# KiCad board demo_matrix2.kicad_pcb (continued)
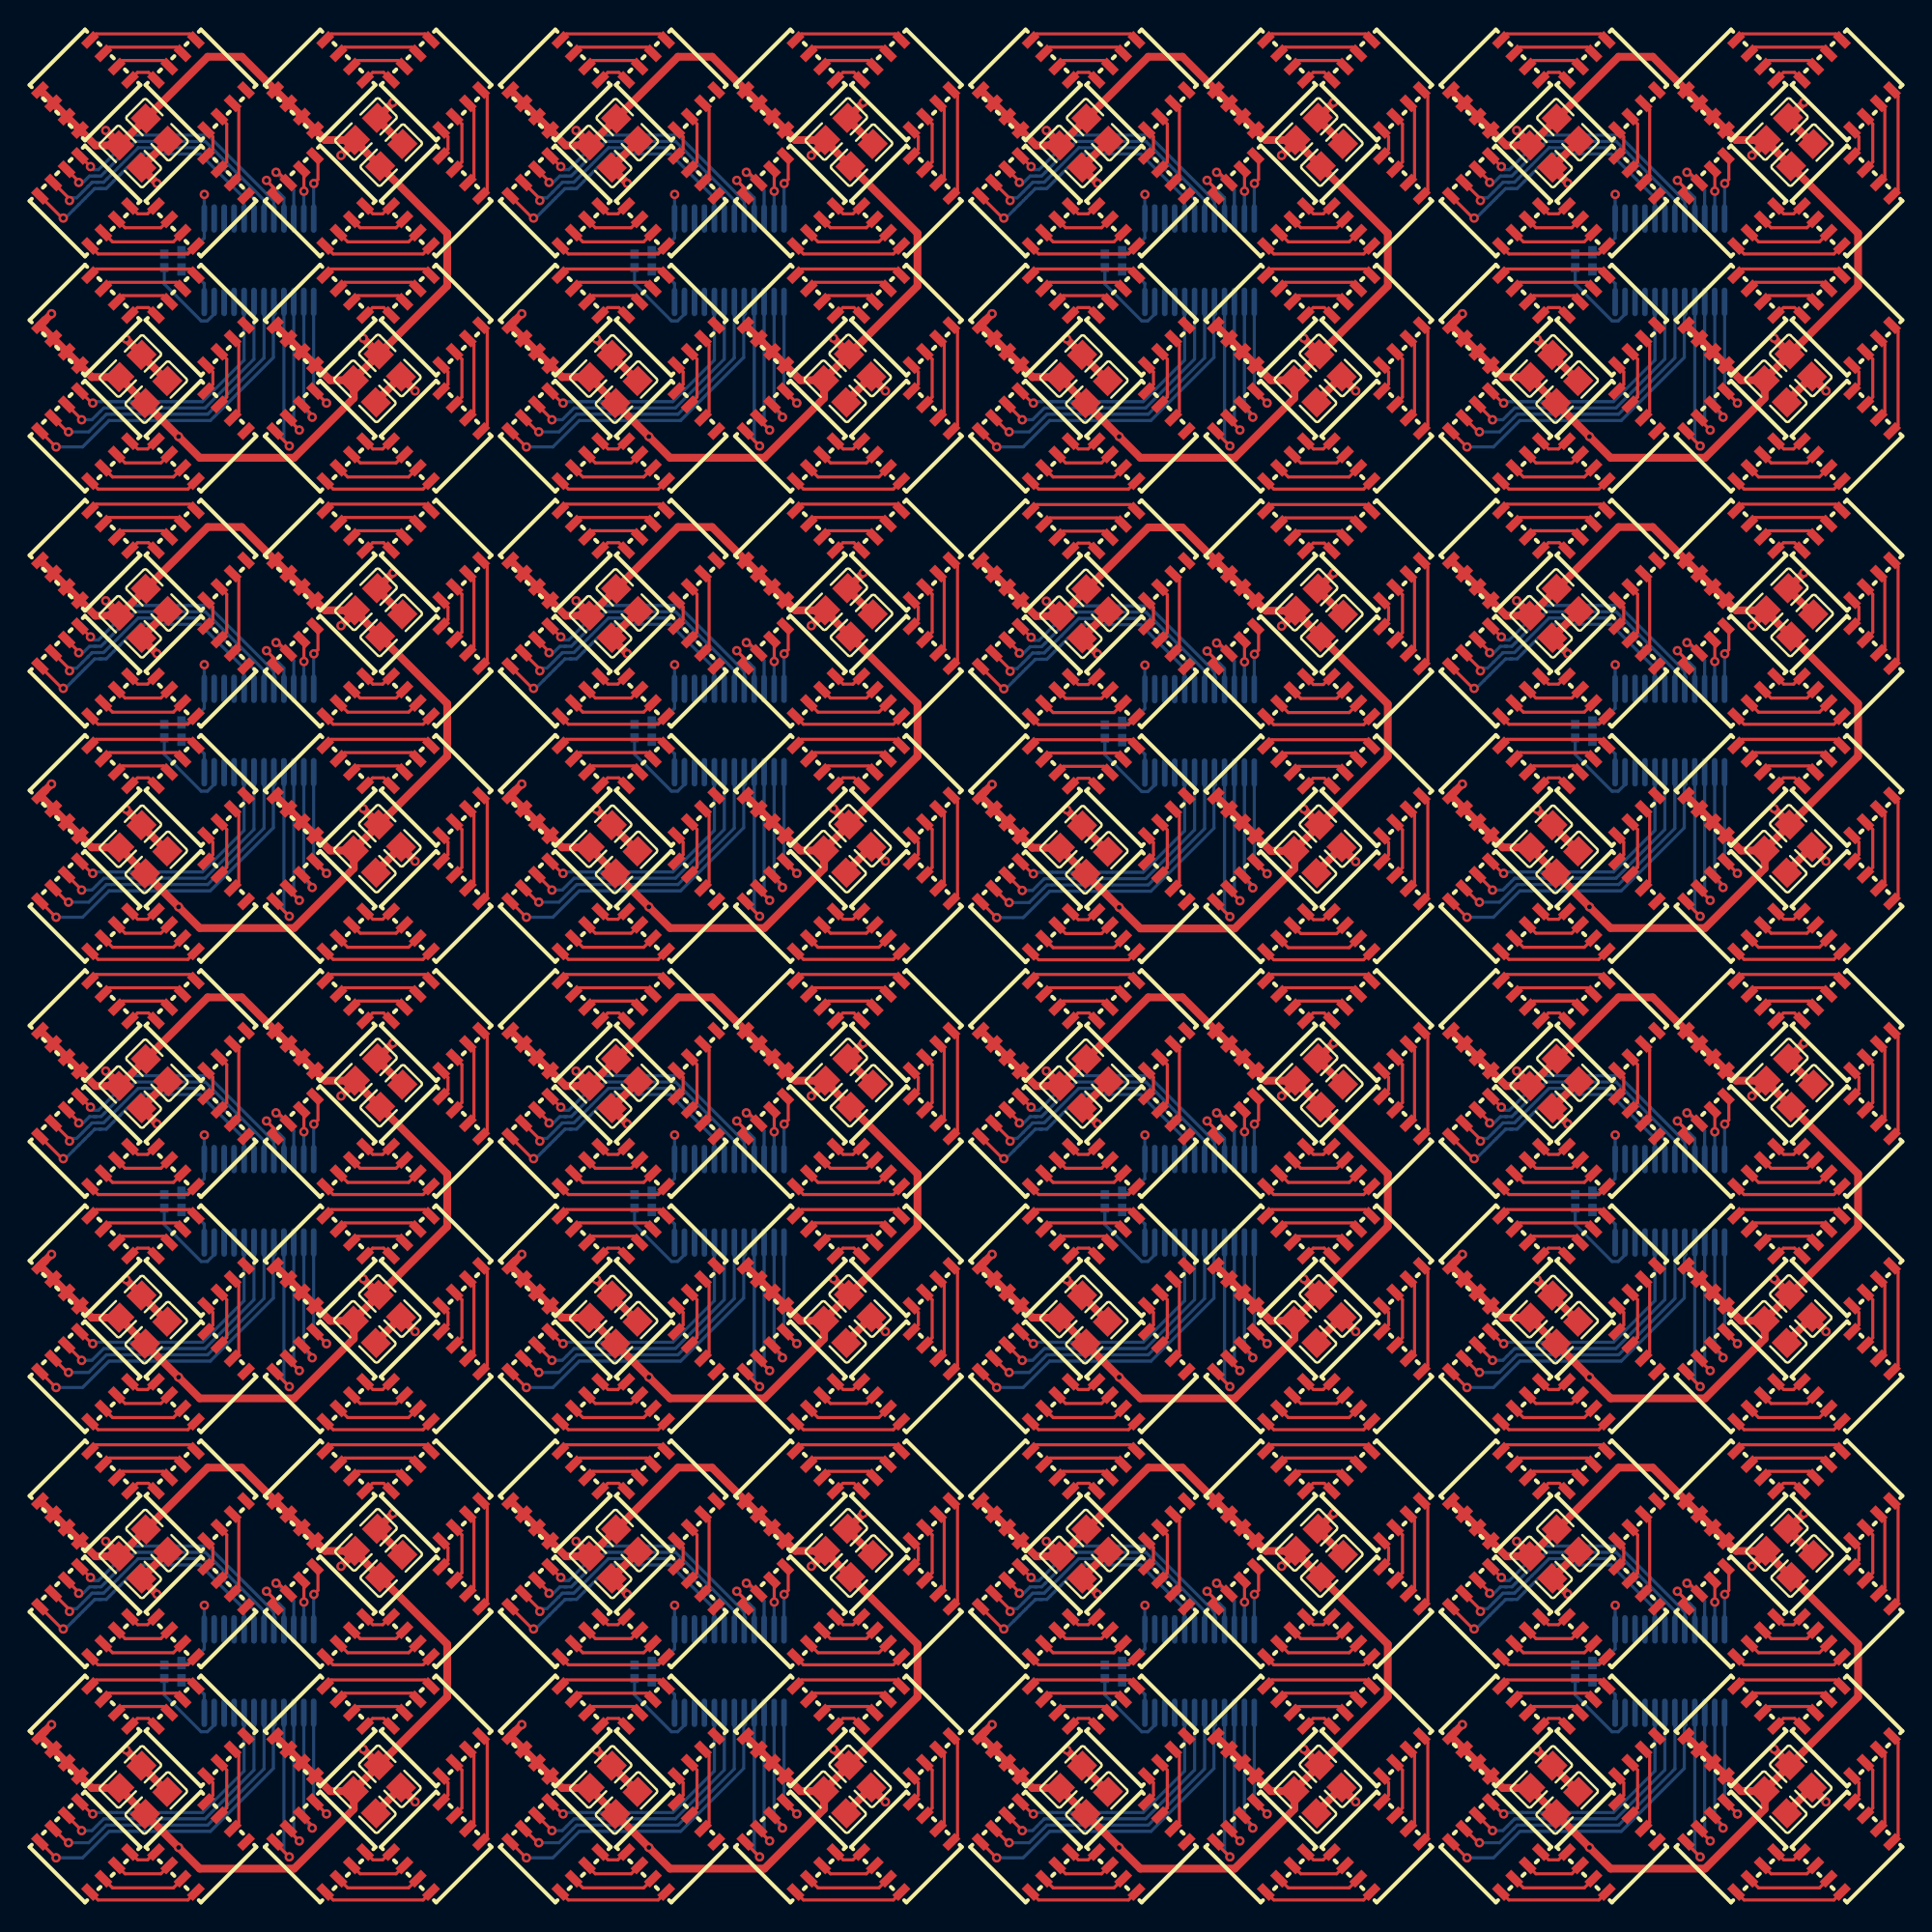
[diagram p0: board, top side]
## Routing (per net, layer and track width the routed paths; a pad name or vN(x,y) marks a point on that pad's centre or on a via; arc(x,y) is an arc through that point) (continued)
  Bottom w0.2: v1(79.21,92.11) 78.39,92.93 U11.13
rgbs[3]-cathodes-cathode-143: length 8.7
  Top w0.2: v1(78.29,91.21) 78.29,91.36 LED48.5
  Bottom w0.2: v1(78.29,91.21) 77.76,91.74 U11.14
rgbs[3]-cathodes-cathode-144: length 17.9
  Top w0.2: v1(92.42,103.91) 92.34,103.91 LED52.1
  Bottom w0.2: U16.5 103.95,104.99 103.95,105.19 101.15,108 97.36,108 95.16,105.79 94.73,105.79 94.42,105.79 94.4,105.77 94.4,105.77 93.82,105.18 93.67,105.03 93.41,104.78 93.41,104.78 93.06,104.43 93.06,104.43 92.54,103.91 ; 92.54,103.91 92.61,103.97 ; 92.54,103.91 v1(92.42,103.91)
rgbs[3]-cathodes-cathode-145: length 9.4
  Top w0.2: v1(107.47,90.39) 106.78,91.08 LED64.3
  Bottom w0.2: U16.15 107.12,90.74 v1(107.47,90.39)
rgbs[3]-cathodes-cathode-146: length 10.7
  Top w0.2: LED64.1 105.93,90.27 v1(106.83,89.37)
  Bottom w0.2: U16.16 106.49,89.71 v1(106.83,89.37)
rgbs[3]-cathodes-cathode-147: length 21.3
  Top w0.2: v1(91.96,89.31) 91.94,89.31 LED60.1
  Bottom w0.2: v1(91.96,89.31) 93.65,89.31 95.33,91 101.8,91 105.82,95.02 105.82,97.75 105.92,97.86 105.92,98.56 U16.17
rgbs[3]-cathodes-cathode-148: length 19.3
  Top w0.2: LED60.3 92.68,90.27 v1(92.75,90.27)
  Bottom w0.2: v1(92.75,90.27) 94.04,90.27 95.17,91.4 101.63,91.4 105.22,94.99 U16.18
rgbs[3]-cathodes-cathode-149: length 17.6
  Top w0.2: v1(93.59,91.05) 93.59,91.06 LED60.5
  Bottom w0.2: U16.19 104.58,94.91 101.46,91.8 95,91.8 94.25,91.05 v1(93.59,91.05)
rgbs[3]-cathodes-cathode-150: length 15.2
  Top w0.2: v1(94.3,92.11) 94.23,92.11 93.76,92.59
  Bottom w0.2: v1(94.3,92.11) 94.39,92.2 101.3,92.2 103.95,94.85 U16.20
rgbs[3]-cathodes-cathode-151: length 17.3
  Top w0.2: LED52.3 92.81,105.14 v1(92.81,105.03)
  Bottom w0.2: v1(92.81,105.03) 92.98,105.2 93.26,105.2 93.65,105.58 94,105.94 94,105.94 94.26,106.19 94.56,106.19 94.57,106.19 94.99,106.19 97.19,108.4 101.31,108.4 104.58,105.13 U16.6
rgbs[3]-cathodes-cathode-152: length 16.9
  Top w0.2: LED52.5 93.4,106.25 v1(93.4,106.19)
  Bottom w0.2: v1(93.4,106.19) 93.54,106.04 94.09,106.59 94.4,106.59 94.49,106.59 94.82,106.59 97.03,108.8 101.48,108.8 105.22,105.06 U16.7
rgbs[3]-cathodes-cathode-153: length 16.1
  Top w0.2: 93.76,107.59 94.15,107.2 v1(94.15,107.19)
  Bottom w0.2: U16.8 105.85,104.99 101.64,109.2 96.86,109.2 94.66,107 94.35,107 v1(94.15,107.19)
rgbs[3]-cathodes-cathode-154: length 4.1
  Top w0.2: v1(105.38,106.31) 105.93,105.76 LED56.1
  Bottom w0.2: U16.9 106.49,105.2 v1(105.38,106.31)
rgbs[3]-cathodes-cathode-155: length 4.5
  Top w0.2: LED56.3 106.12,106.83 v1(105.99,106.83)
  Bottom w0.2: U16.10 107.12,105.7 v1(105.99,106.83)
rgbs[3]-cathodes-cathode-156: length 3.2
  Top w0.2: LED56.5 107.77,106.88 v1(107.77,105.63)
  Bottom w0.2: U16.11 107.76,105.62 v1(107.77,105.63)
rgbs[3]-cathodes-cathode-157: length 3.7
  Top w0.2: v1(108.4,106.11) 108.66,106.38 108.66,107.44
  Bottom w0.2: U16.12 108.39,106.1 v1(108.4,106.11)
rgbs[3]-cathodes-cathode-158: length 7.9
  Top w0.2: LED64.7 108.47,92.84 v1(109.21,92.11)
  Bottom w0.2: v1(109.21,92.11) 108.39,92.93 U16.13
rgbs[3]-cathodes-cathode-159: length 8.7
  Top w0.2: v1(108.29,91.21) 108.29,91.36 LED64.5
  Bottom w0.2: U16.14 107.76,91.74 v1(108.29,91.21)
rgbs[3]-cathodes-cathode-160: length 17.9
  Top w0.2: v1(92.41,73.91) 92.34,73.91 LED68.1
  Bottom w0.2: 92.54,73.91 93.06,74.43 93.06,74.43 93.41,74.78 93.41,74.78 93.81,75.18 93.82,75.18 94.4,75.77 94.4,75.77 94.42,75.79 94.73,75.79 94.73,75.79 95.15,75.79 97.36,78 101.14,78 103.95,75.19 103.95,74.99 103.95,74.99 U21.5 ; 92.54,73.91 92.61,73.97 ; 92.54,73.91 v1(92.41,73.91)
rgbs[3]-cathodes-cathode-161: length 9.4
  Top w0.2: LED80.3 106.78,61.08 v1(107.47,60.39)
  Bottom w0.2: U21.15 107.12,60.74 v1(107.47,60.39)
rgbs[3]-cathodes-cathode-162: length 10.7
  Top w0.2: v1(106.83,59.37) 105.93,60.27 LED80.1
  Bottom w0.2: v1(106.83,59.37) 106.49,59.71 U21.16
rgbs[3]-cathodes-cathode-163: length 21.3
  Top w0.2: v1(91.96,59.31) 91.94,59.31 LED76.1
  Bottom w0.2: U21.17 105.92,68.56 105.92,67.85 105.82,67.75 105.82,65.02 101.8,61 95.33,61 93.65,59.31 v1(91.96,59.31)
rgbs[3]-cathodes-cathode-164: length 19.3
  Top w0.2: v1(92.75,60.27) 92.68,60.27 LED76.3
  Bottom w0.2: v1(92.75,60.27) 94.04,60.27 95.17,61.4 101.63,61.4 105.22,64.99 U21.18
rgbs[3]-cathodes-cathode-165: length 17.6
  Top w0.2: LED76.5 93.58,61.06 v1(93.58,61.04)
  Bottom w0.2: v1(93.58,61.04) 94.25,61.04 95,61.8 101.46,61.8 104.58,64.91 U21.19
rgbs[3]-cathodes-cathode-166: length 15.2
  Top w0.2: v1(94.3,62.11) 94.23,62.11 93.76,62.59
  Bottom w0.2: U21.20 103.95,64.85 101.3,62.2 94.38,62.2 v1(94.3,62.11)
rgbs[3]-cathodes-cathode-167: length 17.3
  Top w0.2: LED68.3 92.81,75.14 v1(92.81,75.03)
  Bottom w0.2: v1(92.81,75.03) 92.98,75.2 93.26,75.2 93.65,75.58 93.65,75.58 94,75.93 94,75.94 94.26,76.19 94.56,76.19 94.56,76.19 94.99,76.19 97.19,78.4 101.31,78.4 104.58,75.13 U21.6
rgbs[3]-cathodes-cathode-168: length 16.9
  Top w0.2: LED68.5 93.4,76.25 v1(93.4,76.18)
  Bottom w0.2: U21.7 105.22,75.06 101.48,78.8 97.03,78.8 94.82,76.59 94.4,76.59 94.4,76.59 94.09,76.59 93.54,76.04 v1(93.4,76.18)
rgbs[3]-cathodes-cathode-169: length 16.1
  Top w0.2: v1(94.15,77.19) 93.76,77.59
  Bottom w0.2: v1(94.15,77.19) 94.35,76.99 94.66,76.99 96.86,79.2 101.64,79.2 105.85,74.99 U21.8
rgbs[3]-cathodes-cathode-170: length 4.1
  Top w0.2: v1(105.38,76.31) 105.93,75.76 LED72.1
  Bottom w0.2: U21.9 106.49,75.2 v1(105.38,76.31)
rgbs[3]-cathodes-cathode-171: length 4.5
  Top w0.2: v1(105.99,76.83) 106.12,76.83 LED72.3
  Bottom w0.2: v1(105.99,76.83) 107.12,75.7 U21.10
rgbs[3]-cathodes-cathode-172: length 3.2
  Top w0.2: v1(107.77,75.62) 107.77,76.88 LED72.5
  Bottom w0.2: v1(107.77,75.62) 107.76,75.62 U21.11
rgbs[3]-cathodes-cathode-173: length 3.7
  Top w0.2: v1(108.4,76.11) 108.66,76.37 108.66,77.44
  Bottom w0.2: v1(108.4,76.11) 108.39,76.1 U21.12
rgbs[3]-cathodes-cathode-174: length 7.9
  Top w0.2: LED80.7 108.47,62.84 v1(109.21,62.11)
  Bottom w0.2: v1(109.21,62.11) 108.39,62.93 U21.13
rgbs[3]-cathodes-cathode-175: length 8.7
  Top w0.2: LED80.5 108.29,61.35 v1(108.29,61.21)
  Bottom w0.2: U21.14 107.76,61.74 v1(108.29,61.21)
rgbs[3]-cathodes-cathode-176: length 17.9
  Top w0.2: LED84.1 62.34,73.89 v1(62.42,73.89)
  Bottom w0.2: 62.61,73.95 62.54,73.89 ; 62.54,73.89 v1(62.42,73.89) ; 62.54,73.89 63.06,74.4 63.06,74.4 63.41,74.75 63.41,74.76 63.81,75.16 64.05,75.39 64.4,75.74 64.4,75.75 64.42,75.77 64.73,75.77 64.73,75.77 65.16,75.77 67.36,77.97 71.15,77.97 73.95,75.17 73.95,74.97 73.95,74.97 U26.5
rgbs[3]-cathodes-cathode-177: length 9.4
  Top w0.2: LED96.3 76.78,61.06 v1(77.47,60.36)
  Bottom w0.2: v1(77.47,60.36) 77.12,60.71 U26.15
rgbs[3]-cathodes-cathode-178: length 10.7
  Top w0.2: v1(76.83,59.35) 75.93,60.25 LED96.1
  Bottom w0.2: v1(76.83,59.35) 76.49,59.69 U26.16
rgbs[3]-cathodes-cathode-179: length 21.3
  Top w0.2: LED92.1 61.94,59.29 v1(61.96,59.29)
  Bottom w0.2: v1(61.96,59.29) 63.65,59.29 65.33,60.97 71.8,60.97 75.82,64.99 75.82,67.73 75.92,67.83 75.92,68.54 U26.17
rgbs[3]-cathodes-cathode-180: length 19.3
  Top w0.2: v1(62.75,60.25) 62.68,60.25 LED92.3
  Bottom w0.2: v1(62.75,60.25) 64.04,60.25 65.17,61.37 71.63,61.37 75.22,64.96 U26.18
rgbs[3]-cathodes-cathode-181: length 17.6
  Top w0.2: v1(63.59,61.02) 63.59,61.04 LED92.5
  Bottom w0.2: U26.19 74.58,64.89 71.46,61.77 65,61.77 64.25,61.02 v1(63.59,61.02)
rgbs[3]-cathodes-cathode-182: length 15.2
  Top w0.2: 63.76,62.56 64.23,62.09 v1(64.3,62.09)
  Bottom w0.2: v1(64.3,62.09) 64.39,62.17 71.3,62.17 73.95,64.83 U26.20
rgbs[3]-cathodes-cathode-183: length 17.3
  Top w0.2: LED84.3 62.81,75.11 v1(62.81,75)
  Bottom w0.2: U26.6 74.58,75.1 71.31,78.37 67.19,78.37 64.99,76.17 64.57,76.17 64.26,76.17 64,75.91 64,75.91 63.65,75.56 63.26,75.17 62.98,75.17 v1(62.81,75)
rgbs[3]-cathodes-cathode-184: length 16.9
  Top w0.2: LED84.5 63.4,76.22 v1(63.4,76.16)
  Bottom w0.2: U26.7 75.22,75.03 71.48,78.77 67.03,78.77 64.82,76.57 64.4,76.57 64.4,76.57 64.09,76.57 63.54,76.02 v1(63.4,76.16)
rgbs[3]-cathodes-cathode-185: length 16.1
  Top w0.2: v1(64.15,77.17) 63.76,77.56
  Bottom w0.2: U26.8 75.85,74.97 71.64,79.17 66.86,79.17 64.66,76.97 64.35,76.97 v1(64.15,77.17)
rgbs[3]-cathodes-cathode-186: length 4.1
  Top w0.2: LED88.1 75.93,75.74 v1(75.38,76.29)
  Bottom w0.2: v1(75.38,76.29) 76.49,75.18 U26.9
rgbs[3]-cathodes-cathode-187: length 4.5
  Top w0.2: v1(75.99,76.81) 76.12,76.81 LED88.3
  Bottom w0.2: v1(75.99,76.81) 77.12,75.67 U26.10
rgbs[3]-cathodes-cathode-188: length 3.2
  Top w0.2: v1(77.77,75.6) 77.77,76.86 LED88.5
  Bottom w0.2: U26.11 77.76,75.59 v1(77.77,75.6)
rgbs[3]-cathodes-cathode-189: length 3.7
  Top w0.2: 78.66,77.41 78.66,76.35 v1(78.4,76.09)
  Bottom w0.2: v1(78.4,76.09) 78.39,76.08 U26.12
rgbs[3]-cathodes-cathode-190: length 7.9
  Top w0.2: v1(79.21,62.09) 78.47,62.82 LED96.7
  Bottom w0.2: U26.13 78.39,62.9 v1(79.21,62.09)
rgbs[3]-cathodes-cathode-191: length 8.7
  Top w0.2: v1(78.29,61.18) 78.29,61.33 LED96.5
  Bottom w0.2: v1(78.29,61.18) 77.76,61.72 U26.14
rgbs[3]-cathodes-cathode-192: length 17.9
  Top w0.2: v1(32.42,73.91) 32.34,73.91 LED100.1
  Bottom w0.2: U31.5 43.95,74.99 43.95,75.19 41.15,78 37.36,78 35.16,75.79 34.73,75.79 34.42,75.79 34.4,75.77 34.4,75.77 33.82,75.18 33.67,75.03 33.41,74.78 33.41,74.78 33.06,74.43 33.06,74.43 32.54,73.91 ; 32.54,73.91 32.61,73.97 ; 32.54,73.91 v1(32.42,73.91)
rgbs[3]-cathodes-cathode-193: length 9.4
  Top w0.2: LED112.3 46.78,61.08 v1(47.47,60.39)
  Bottom w0.2: v1(47.47,60.39) 47.12,60.74 U31.15
rgbs[3]-cathodes-cathode-194: length 10.7
  Top w0.2: LED112.1 45.93,60.27 v1(46.83,59.37)
  Bottom w0.2: v1(46.83,59.37) 46.49,59.71 U31.16
rgbs[3]-cathodes-cathode-195: length 21.3
  Top w0.2: v1(31.96,59.31) 31.94,59.31 LED108.1
  Bottom w0.2: v1(31.96,59.31) 33.65,59.31 35.33,61 41.8,61 45.82,65.02 45.82,67.75 45.92,67.86 45.92,68.56 U31.17
rgbs[3]-cathodes-cathode-196: length 19.3
  Top w0.2: LED108.3 32.68,60.27 v1(32.75,60.27)
  Bottom w0.2: U31.18 45.22,64.99 41.63,61.4 35.17,61.4 34.04,60.27 v1(32.75,60.27)
rgbs[3]-cathodes-cathode-197: length 17.6
  Top w0.2: LED108.5 33.59,61.06 v1(33.59,61.05)
  Bottom w0.2: v1(33.59,61.05) 34.25,61.05 35,61.8 41.46,61.8 44.58,64.91 U31.19
rgbs[3]-cathodes-cathode-198: length 15.2
  Top w0.2: v1(34.3,62.11) 34.23,62.11 33.76,62.59
  Bottom w0.2: v1(34.3,62.11) 34.39,62.2 41.3,62.2 43.95,64.85 U31.20
rgbs[3]-cathodes-cathode-199: length 17.3
  Top w0.2: v1(32.81,75.03) 32.81,75.14 LED100.3
  Bottom w0.2: U31.6 44.58,75.13 41.31,78.4 37.19,78.4 34.99,76.19 34.57,76.19 34.56,76.19 34.26,76.19 34,75.94 34,75.94 33.65,75.58 33.26,75.2 32.98,75.2 v1(32.81,75.03)
rgbs[3]-cathodes-cathode-200: length 16.9
  Top w0.2: LED100.5 33.4,76.25 v1(33.4,76.19)
  Bottom w0.2: U31.7 45.22,75.06 41.48,78.8 37.03,78.8 34.82,76.59 34.4,76.59 34.09,76.59 33.54,76.04 v1(33.4,76.19)
rgbs[3]-cathodes-cathode-201: length 16.1
  Top w0.2: 33.76,77.59 34.15,77.2 v1(34.15,77.19)
  Bottom w0.2: U31.8 45.85,74.99 41.64,79.2 36.86,79.2 34.66,77 34.35,77 v1(34.15,77.19)
rgbs[3]-cathodes-cathode-202: length 4.1
  Top w0.2: v1(45.38,76.31) 45.93,75.76 LED104.1
  Bottom w0.2: U31.9 46.49,75.2 v1(45.38,76.31)
rgbs[3]-cathodes-cathode-203: length 4.5
  Top w0.2: LED104.3 46.12,76.83 v1(45.99,76.83)
  Bottom w0.2: v1(45.99,76.83) 47.12,75.7 U31.10
rgbs[3]-cathodes-cathode-204: length 3.2
  Top w0.2: LED104.5 47.77,76.88 v1(47.77,75.63)
  Bottom w0.2: v1(47.77,75.63) 47.76,75.62 U31.11
rgbs[3]-cathodes-cathode-205: length 3.7
  Top w0.2: v1(48.4,76.11) 48.66,76.38 48.66,77.44
  Bottom w0.2: U31.12 48.39,76.1 v1(48.4,76.11)
rgbs[3]-cathodes-cathode-206: length 7.9
  Top w0.2: v1(49.21,62.11) 48.47,62.84 LED112.7
  Bottom w0.2: U31.13 48.39,62.93 v1(49.21,62.11)
rgbs[3]-cathodes-cathode-207: length 8.7
  Top w0.2: LED112.5 48.29,61.36 v1(48.29,61.21)
  Bottom w0.2: v1(48.29,61.21) 47.76,61.74 U31.14
rgbs[3]-cathodes-cathode-208: length 17.9
  Top w0.2: LED116.1 2.34,73.91 v1(2.42,73.91)
  Bottom w0.2: v1(2.42,73.91) 2.54,73.91 ; 2.54,73.91 2.61,73.97 ; 2.54,73.91 3.06,74.43 3.06,74.43 3.41,74.78 3.41,74.78 3.81,75.18 4.05,75.42 4.4,75.77 4.4,75.77 4.42,75.79 4.73,75.79 4.82,75.79 5.16,75.79 7.36,78 11.15,78 13.95,75.19 13.95,74.99 U36.5
rgbs[3]-cathodes-cathode-209: length 9.4
  Top w0.2: LED128.3 16.78,61.08 v1(17.47,60.39)
  Bottom w0.2: v1(17.47,60.39) 17.12,60.74 U36.15
rgbs[3]-cathodes-cathode-210: length 10.7
  Top w0.2: LED128.1 15.93,60.27 v1(16.83,59.37)
  Bottom w0.2: v1(16.83,59.37) 16.49,59.71 U36.16
rgbs[3]-cathodes-cathode-211: length 21.3
  Top w0.2: LED124.1 1.94,59.31 v1(1.96,59.31)
  Bottom w0.2: v1(1.96,59.31) 3.65,59.31 5.33,61 11.8,61 15.82,65.02 15.82,67.75 15.92,67.86 15.92,68.56 U36.17
rgbs[3]-cathodes-cathode-212: length 19.3
  Top w0.2: LED124.3 2.68,60.27 v1(2.75,60.27)
  Bottom w0.2: v1(2.75,60.27) 4.04,60.27 5.17,61.4 11.63,61.4 15.22,64.99 U36.18
rgbs[3]-cathodes-cathode-213: length 17.6
  Top w0.2: LED124.5 3.59,61.06 v1(3.59,61.05)
  Bottom w0.2: U36.19 14.58,64.91 11.46,61.8 5,61.8 4.25,61.05 v1(3.59,61.05)
rgbs[3]-cathodes-cathode-214: length 15.2
  Top w0.2: 3.76,62.59 4.23,62.11 v1(4.3,62.11)
  Bottom w0.2: v1(4.3,62.11) 4.39,62.2 11.3,62.2 13.95,64.85 U36.20
rgbs[3]-cathodes-cathode-215: length 17.3
  Top w0.2: v1(2.81,75.03) 2.81,75.14 LED116.3
  Bottom w0.2: U36.6 14.58,75.13 11.31,78.4 7.19,78.4 4.99,76.19 4.57,76.19 4.56,76.19 4.26,76.19 4,75.94 4,75.94 3.65,75.58 3.26,75.2 2.98,75.2 v1(2.81,75.03)
rgbs[3]-cathodes-cathode-216: length 16.9
  Top w0.2: LED116.5 3.4,76.25 v1(3.4,76.19)
  Bottom w0.2: v1(3.4,76.19) 3.54,76.04 4.09,76.59 4.4,76.59 4.49,76.59 4.82,76.59 7.03,78.8 11.48,78.8 15.22,75.06 U36.7
rgbs[3]-cathodes-cathode-217: length 16.1
  Top w0.2: 3.76,77.59 4.15,77.2 v1(4.15,77.19)
  Bottom w0.2: U36.8 15.85,74.99 11.64,79.2 6.86,79.2 4.66,77 4.35,77 v1(4.15,77.19)
rgbs[3]-cathodes-cathode-218: length 4.1
  Top w0.2: v1(15.38,76.31) 15.93,75.76 LED120.1
  Bottom w0.2: v1(15.38,76.31) 16.49,75.2 U36.9
rgbs[3]-cathodes-cathode-219: length 4.5
  Top w0.2: v1(15.99,76.83) 16.12,76.83 LED120.3
  Bottom w0.2: v1(15.99,76.83) 17.12,75.7 U36.10
rgbs[3]-cathodes-cathode-220: length 3.2
  Top w0.2: v1(17.77,75.63) 17.77,76.88 LED120.5
  Bottom w0.2: U36.11 17.76,75.62 v1(17.77,75.63)
rgbs[3]-cathodes-cathode-221: length 3.7
  Top w0.2: v1(18.4,76.11) 18.66,76.38 18.66,77.44
  Bottom w0.2: v1(18.4,76.11) 18.39,76.1 U36.12
rgbs[3]-cathodes-cathode-222: length 7.9
  Top w0.2: LED128.7 18.47,62.84 v1(19.21,62.11)
  Bottom w0.2: U36.13 18.39,62.93 v1(19.21,62.11)
rgbs[3]-cathodes-cathode-223: length 8.7
  Top w0.2: v1(18.29,61.21) 18.29,61.36 LED128.5
  Bottom w0.2: v1(18.29,61.21) 17.76,61.74 U36.14
rgbs[3]-cathodes-cathode-224: length 17.9
  Top w0.2: v1(2.42,43.91) 2.34,43.91 LED132.1
  Bottom w0.2: v1(2.42,43.91) 2.54,43.91 ; 2.54,43.91 2.61,43.97 ; 2.54,43.91 3.06,44.43 3.06,44.43 3.41,44.78 3.41,44.78 3.81,45.18 4.05,45.42 4.4,45.77 4.4,45.77 4.42,45.79 4.73,45.79 4.82,45.79 5.16,45.79 7.36,48 11.15,48 13.95,45.19 13.95,44.99 U41.5
rgbs[3]-cathodes-cathode-225: length 9.4
  Top w0.2: LED144.3 16.78,31.08 v1(17.47,30.39)
  Bottom w0.2: v1(17.47,30.39) 17.12,30.74 U41.15
rgbs[3]-cathodes-cathode-226: length 10.7
  Top w0.2: LED144.1 15.93,30.27 v1(16.83,29.37)
  Bottom w0.2: U41.16 16.49,29.71 v1(16.83,29.37)
rgbs[3]-cathodes-cathode-227: length 21.3
  Top w0.2: v1(1.96,29.31) 1.94,29.31 LED140.1
  Bottom w0.2: v1(1.96,29.31) 3.65,29.31 5.33,31 11.8,31 15.82,35.02 15.82,37.75 15.92,37.86 15.92,38.56 U41.17
rgbs[3]-cathodes-cathode-228: length 19.3
  Top w0.2: LED140.3 2.68,30.27 v1(2.75,30.27)
  Bottom w0.2: v1(2.75,30.27) 4.04,30.27 5.17,31.4 11.63,31.4 15.22,34.99 U41.18
rgbs[3]-cathodes-cathode-229: length 17.6
  Top w0.2: v1(3.59,31.05) 3.59,31.06 LED140.5
  Bottom w0.2: v1(3.59,31.05) 4.25,31.05 5,31.8 11.46,31.8 14.58,34.91 U41.19
rgbs[3]-cathodes-cathode-230: length 15.2
  Top w0.2: v1(4.3,32.11) 4.23,32.11 3.76,32.59
  Bottom w0.2: v1(4.3,32.11) 4.39,32.2 11.3,32.2 13.95,34.85 U41.20
rgbs[3]-cathodes-cathode-231: length 17.3
  Top w0.2: LED132.3 2.81,45.14 v1(2.81,45.03)
  Bottom w0.2: v1(2.81,45.03) 2.98,45.2 3.26,45.2 3.65,45.58 4,45.94 4,45.94 4.26,46.19 4.56,46.19 4.57,46.19 4.99,46.19 7.19,48.4 11.31,48.4 14.58,45.13 U41.6
rgbs[3]-cathodes-cathode-232: length 16.9
  Top w0.2: LED132.5 3.4,46.25 v1(3.4,46.19)
  Bottom w0.2: U41.7 15.22,45.06 11.48,48.8 7.03,48.8 4.82,46.59 4.4,46.59 4.09,46.59 3.54,46.04 v1(3.4,46.19)
rgbs[3]-cathodes-cathode-233: length 16.1
  Top w0.2: v1(4.15,47.19) 4.15,47.2 3.76,47.59
  Bottom w0.2: U41.8 15.85,44.99 11.64,49.2 6.86,49.2 4.66,47 4.35,47 v1(4.15,47.19)
rgbs[3]-cathodes-cathode-234: length 4.1
  Top w0.2: v1(15.38,46.31) 15.93,45.76 LED136.1
  Bottom w0.2: U41.9 16.49,45.2 v1(15.38,46.31)
rgbs[3]-cathodes-cathode-235: length 4.5
  Top w0.2: v1(15.99,46.83) 16.12,46.83 LED136.3
  Bottom w0.2: v1(15.99,46.83) 17.12,45.7 U41.10
rgbs[3]-cathodes-cathode-236: length 3.2
  Top w0.2: LED136.5 17.77,46.88 v1(17.77,45.63)
  Bottom w0.2: U41.11 17.76,45.62 v1(17.77,45.63)
rgbs[3]-cathodes-cathode-237: length 3.7
  Top w0.2: v1(18.4,46.11) 18.66,46.38 18.66,47.44
  Bottom w0.2: U41.12 18.39,46.1 v1(18.4,46.11)
rgbs[3]-cathodes-cathode-238: length 7.9
  Top w0.2: LED144.7 18.47,32.84 v1(19.21,32.11)
  Bottom w0.2: v1(19.21,32.11) 18.39,32.93 U41.13
rgbs[3]-cathodes-cathode-239: length 8.7
  Top w0.2: LED144.5 18.29,31.36 v1(18.29,31.21)
  Bottom w0.2: U41.14 17.76,31.74 v1(18.29,31.21)
rgbs[3]-cathodes-cathode-240: length 17.9
  Top w0.2: v1(32.42,43.91) 32.34,43.91 LED148.1
  Bottom w0.2: 32.54,43.91 33.06,44.43 33.06,44.43 33.41,44.78 33.41,44.78 33.81,45.18 34.05,45.42 34.4,45.77 34.4,45.77 34.42,45.79 34.73,45.79 34.82,45.79 35.16,45.79 37.36,48 41.15,48 43.95,45.19 43.95,44.99 U46.5 ; 32.54,43.91 v1(32.42,43.91) ; 32.54,43.91 32.61,43.97
rgbs[3]-cathodes-cathode-241: length 9.4
  Top w0.2: v1(47.47,30.39) 46.78,31.08 LED160.3
  Bottom w0.2: U46.15 47.12,30.74 v1(47.47,30.39)
rgbs[3]-cathodes-cathode-242: length 10.7
  Top w0.2: v1(46.83,29.37) 45.93,30.27 LED160.1
  Bottom w0.2: v1(46.83,29.37) 46.49,29.71 U46.16
rgbs[3]-cathodes-cathode-243: length 21.3
  Top w0.2: LED156.1 31.94,29.31 v1(31.96,29.31)
  Bottom w0.2: v1(31.96,29.31) 33.65,29.31 35.33,31 41.8,31 45.82,35.02 45.82,37.75 45.92,37.86 45.92,38.56 U46.17
rgbs[3]-cathodes-cathode-244: length 19.3
  Top w0.2: v1(32.75,30.27) 32.68,30.27 LED156.3
  Bottom w0.2: U46.18 45.22,34.99 41.63,31.4 35.17,31.4 34.04,30.27 v1(32.75,30.27)
rgbs[3]-cathodes-cathode-245: length 17.6
  Top w0.2: LED156.5 33.59,31.06 v1(33.59,31.05)
  Bottom w0.2: v1(33.59,31.05) 34.25,31.05 35,31.8 41.46,31.8 44.58,34.91 U46.19
rgbs[3]-cathodes-cathode-246: length 15.2
  Top w0.2: v1(34.3,32.11) 34.23,32.11 33.76,32.59
  Bottom w0.2: v1(34.3,32.11) 34.39,32.2 41.3,32.2 43.95,34.85 U46.20
rgbs[3]-cathodes-cathode-247: length 17.3
  Top w0.2: LED148.3 32.81,45.14 v1(32.81,45.03)
  Bottom w0.2: v1(32.81,45.03) 32.98,45.2 33.26,45.2 33.65,45.58 34,45.94 34,45.94 34.26,46.19 34.56,46.19 34.57,46.19 34.99,46.19 37.19,48.4 41.31,48.4 44.58,45.13 U46.6
rgbs[3]-cathodes-cathode-248: length 16.9
  Top w0.2: LED148.5 33.4,46.25 v1(33.4,46.19)
  Bottom w0.2: U46.7 45.22,45.06 41.48,48.8 37.03,48.8 34.82,46.59 34.4,46.59 34.09,46.59 33.54,46.04 v1(33.4,46.19)
rgbs[3]-cathodes-cathode-249: length 16.1
  Top w0.2: 33.76,47.59 34.15,47.2 v1(34.15,47.19)
  Bottom w0.2: U46.8 45.85,44.99 41.64,49.2 36.86,49.2 34.66,47 34.35,47 v1(34.15,47.19)
rgbs[3]-cathodes-cathode-250: length 4.1
  Top w0.2: LED152.1 45.93,45.76 v1(45.38,46.31)
  Bottom w0.2: v1(45.38,46.31) 46.49,45.2 U46.9
rgbs[3]-cathodes-cathode-251: length 4.5
  Top w0.2: LED152.3 46.12,46.83 v1(45.99,46.83)
  Bottom w0.2: U46.10 47.12,45.7 v1(45.99,46.83)
rgbs[3]-cathodes-cathode-252: length 3.2
  Top w0.2: v1(47.77,45.63) 47.77,46.88 LED152.5
  Bottom w0.2: U46.11 47.76,45.62 v1(47.77,45.63)
rgbs[3]-cathodes-cathode-253: length 3.7
  Top w0.2: v1(48.4,46.11) 48.66,46.38 48.66,47.44
  Bottom w0.2: U46.12 48.39,46.1 v1(48.4,46.11)
rgbs[3]-cathodes-cathode-254: length 7.9
  Top w0.2: v1(49.21,32.11) 48.47,32.84 LED160.7
  Bottom w0.2: v1(49.21,32.11) 48.39,32.93 U46.13
rgbs[3]-cathodes-cathode-255: length 8.7
  Top w0.2: LED160.5 48.29,31.36 v1(48.29,31.21)
  Bottom w0.2: U46.14 47.76,31.74 v1(48.29,31.21)
